# Altium PCB 霍尔小板拼版.PcbDoc (part 2 of 3)
Units mm, origin at the board's own origin, x right, y up, seen from the top; angles counter-clockwise.
Board outline 100.88 x 92.97 mm, 2 copper layers (Top Layer, Bottom Layer); 204 components, 39 nets, 616 pads, 200 vias.
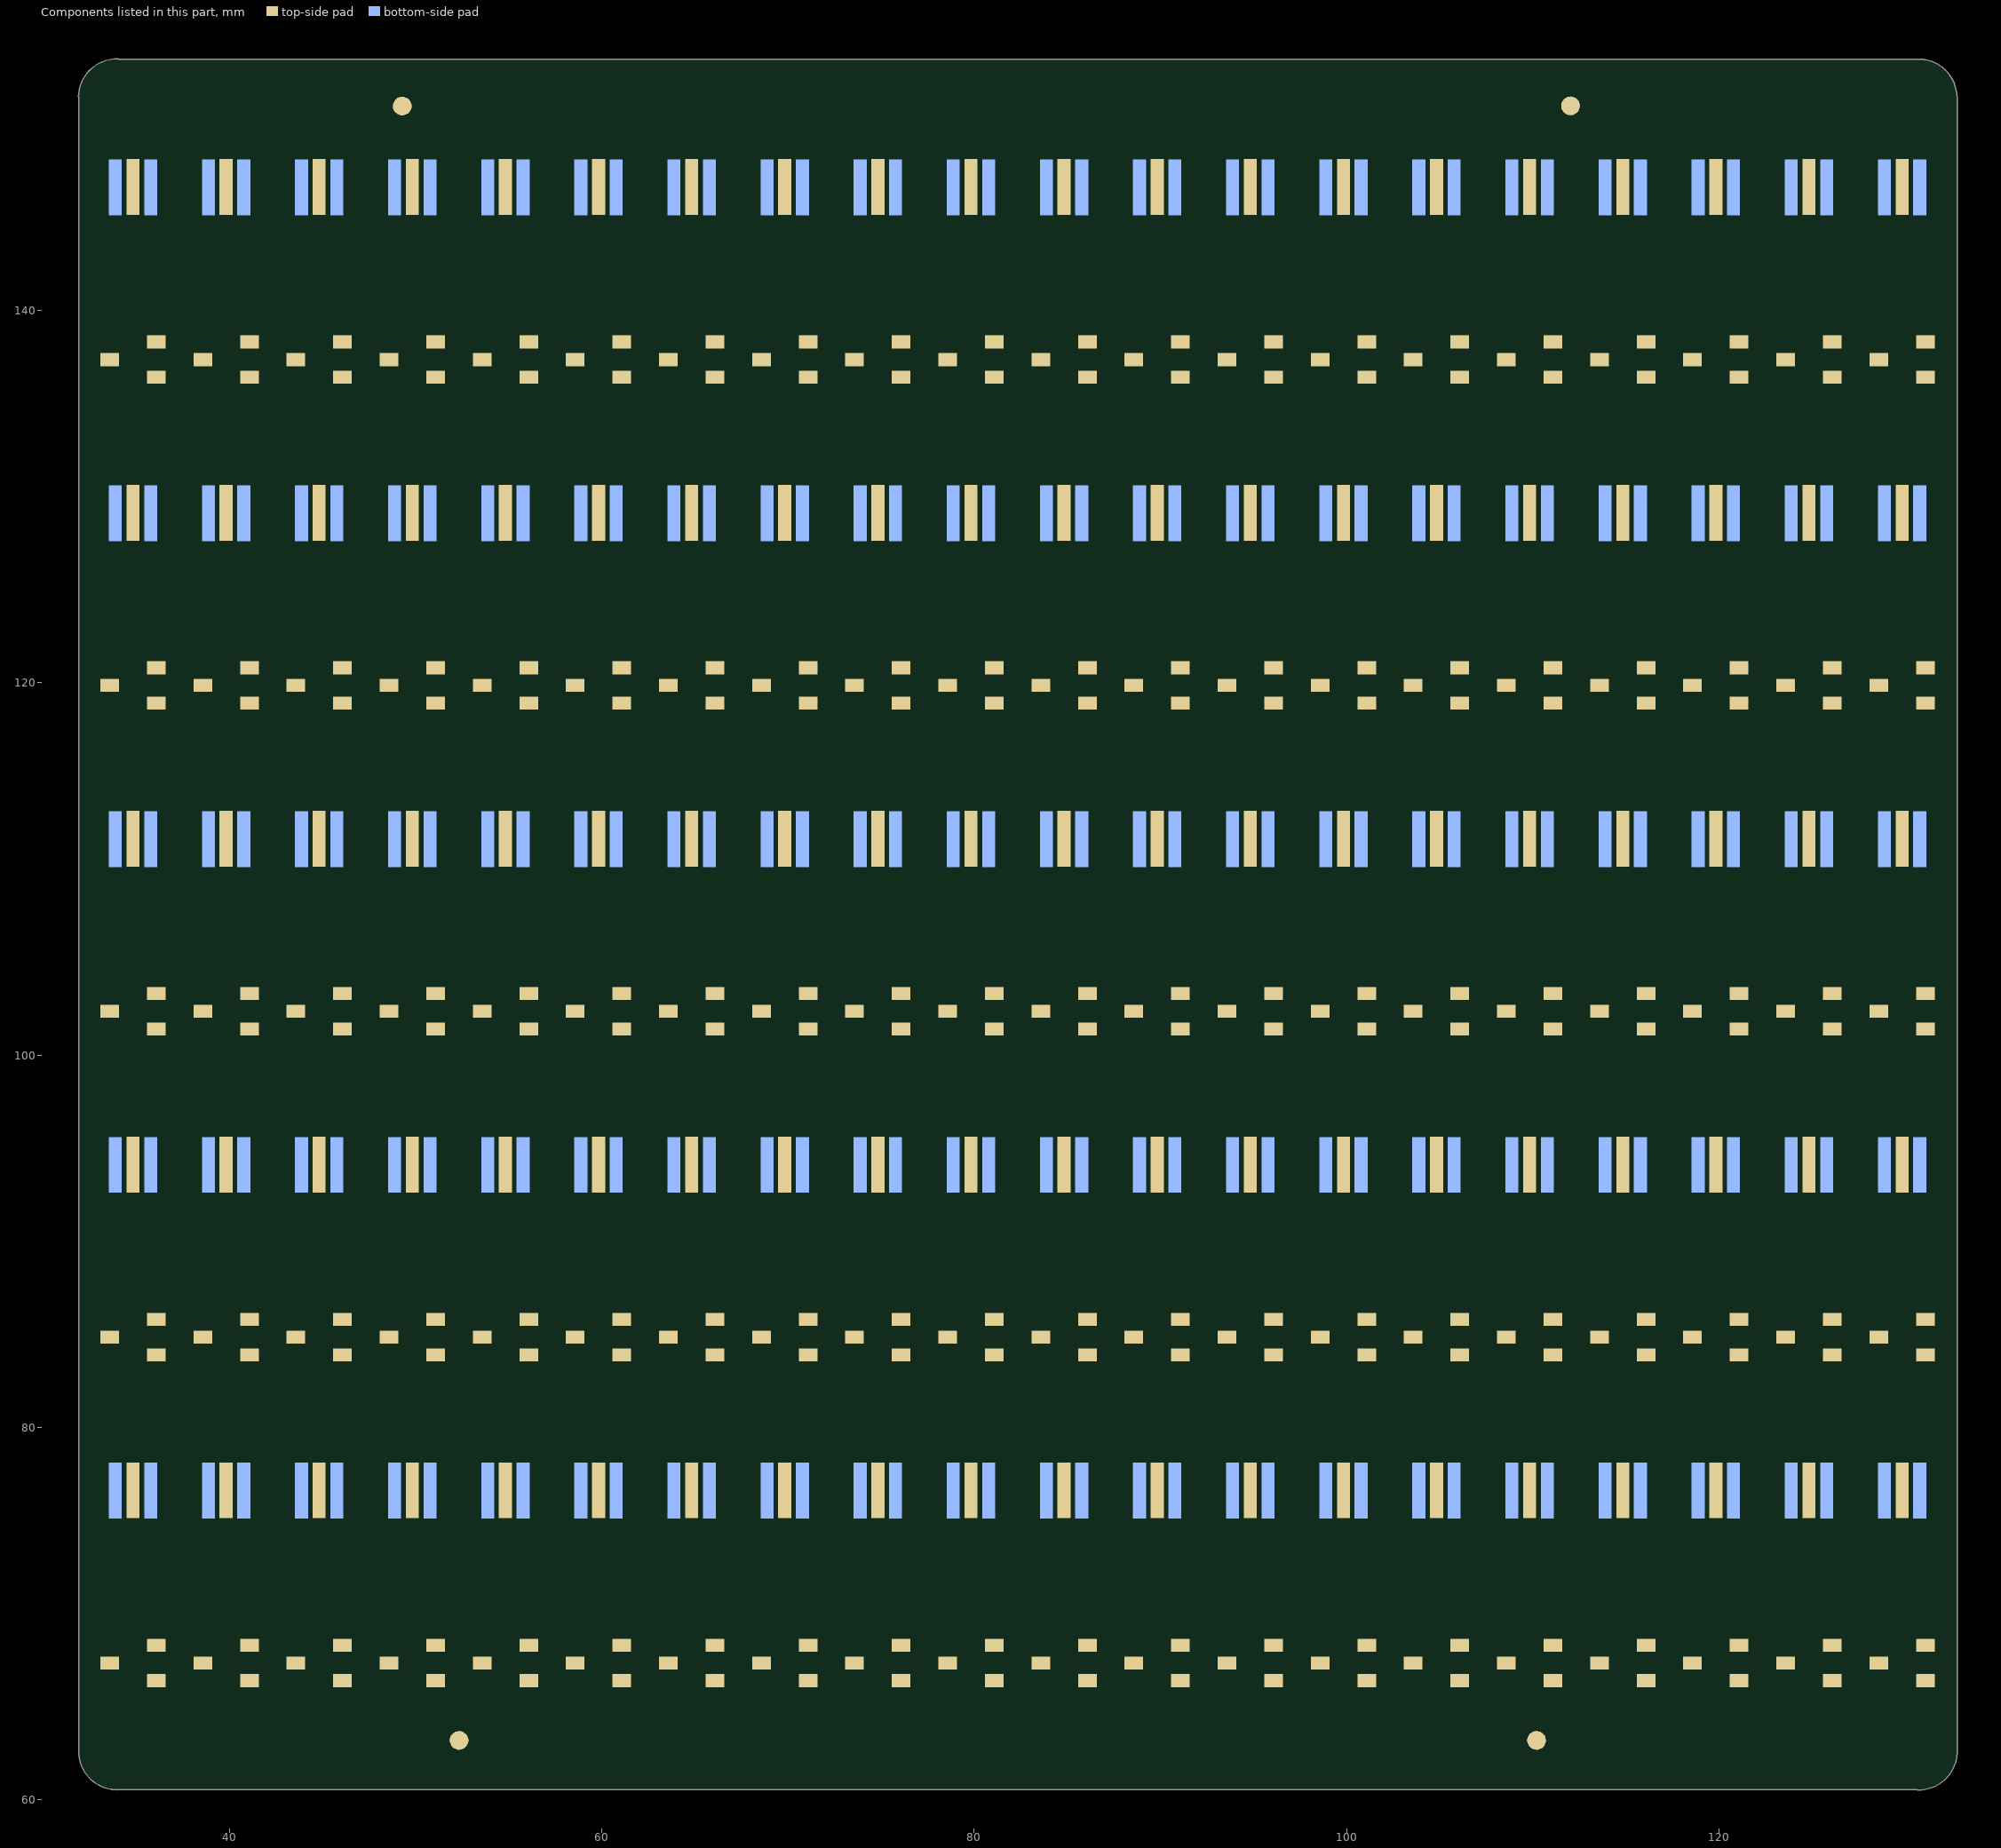
[diagram p2: the components of this part, seen from the top]

## Via types
v1: diameter 0.6, hole 0.4, Top Layer to Bottom Layer, tented both sides, 200 vias

## Nets (pads, with @x,y where several pads share a name; then routed paths per layer and width w, separated by ;. In a path a pad name is that pad's centre, name@x,y a point inside that pad or via, vN(x,y) a via of type N, cw(c..) or ccw(c..) an arc to the next point about the centre after c; other vN are vias at no path point) (continued)
copper on no net: | length 3050.2
  Top Layer w0.254: 33.576,67.351 33.81,67.585 33.81,73.04 34.826,74.056 34.826,76.622 ; 33.576,84.851 33.81,85.085 33.81,90.54 34.826,91.556 34.826,94.122 ; 33.576,102.351 33.81,102.585 33.81,108.04 34.826,109.056 34.826,111.622 ; 33.576,119.851 33.81,120.085 33.81,125.54 34.826,126.556 34.826,129.122 ; 33.576,137.351 33.81,137.585 33.81,143.04 34.826,144.056 34.826,146.622 ; v1(34.572,70.932) 34.547,70.907 34.547,67.93 36.076,66.401 ; v1(34.572,88.432) 34.547,88.407 34.547,85.43 36.076,83.901 ; v1(34.572,105.932) 34.547,105.907 34.547,102.93 36.076,101.401 ; v1(34.572,123.432) 34.547,123.407 34.547,120.43 36.076,118.901 ; v1(34.572,140.932) 34.547,140.907 34.547,137.93 36.076,136.401 ; v1(34.597,72.38) 36.076,70.901 36.076,68.301 ; v1(34.597,89.88) 36.076,88.401 36.076,85.801 ; v1(34.597,107.38) 36.076,105.901 36.076,103.301 ; v1(34.597,124.88) 36.076,123.401 36.076,120.801 ; v1(34.597,142.38) 36.076,140.901 36.076,138.301 ; 38.576,67.351 38.81,67.585 38.81,73.04 39.826,74.056 39.826,76.622 ; 38.576,84.851 38.81,85.085 38.81,90.54 39.826,91.556 39.826,94.122 ; 38.576,102.351 38.81,102.585 38.81,108.04 39.826,109.056 39.826,111.622 ; 38.576,119.851 38.81,120.085 38.81,125.54 39.826,126.556 39.826,129.122 ; 38.576,137.351 38.81,137.585 38.81,143.04 39.826,144.056 39.826,146.622 ; v1(39.572,70.932) 39.547,70.907 39.547,67.93 41.076,66.401 ; v1(39.572,88.432) 39.547,88.407 39.547,85.43 41.076,83.901 ; v1(39.572,105.932) 39.547,105.907 39.547,102.93 41.076,101.401 ; v1(39.572,123.432) 39.547,123.407 39.547,120.43 41.076,118.901 ; v1(39.572,140.932) 39.547,140.907 39.547,137.93 41.076,136.401 ; v1(39.597,72.38) 41.076,70.901 41.076,68.301 ; v1(39.597,89.88) 41.076,88.401 41.076,85.801 ; v1(39.597,107.38) 41.076,105.901 41.076,103.301 ; v1(39.597,124.88) 41.076,123.401 41.076,120.801 ; v1(39.597,142.38) 41.076,140.901 41.076,138.301 ; 43.576,67.351 43.81,67.585 43.81,73.04 44.826,74.056 44.826,76.622 ; 43.576,84.851 43.81,85.085 43.81,90.54 44.826,91.556 44.826,94.122 ; 43.576,102.351 43.81,102.585 43.81,108.04 44.826,109.056 44.826,111.622 ; 43.576,119.851 43.81,120.085 43.81,125.54 44.826,126.556 44.826,129.122 ; 43.576,137.351 43.81,137.585 43.81,143.04 44.826,144.056 44.826,146.622 ; v1(44.572,70.932) 44.547,70.907 44.547,67.93 46.076,66.401 ; v1(44.572,88.432) 44.547,88.407 44.547,85.43 46.076,83.901 ; v1(44.572,105.932) 44.547,105.907 44.547,102.93 46.076,101.401 ; v1(44.572,123.432) 44.547,123.407 44.547,120.43 46.076,118.901 ; v1(44.572,140.932) 44.547,140.907 44.547,137.93 46.076,136.401 ; v1(44.597,72.38) 46.076,70.901 46.076,68.301 ; v1(44.597,89.88) 46.076,88.401 46.076,85.801 ; v1(44.597,107.38) 46.076,105.901 46.076,103.301 ; v1(44.597,124.88) 46.076,123.401 46.076,120.801 ; v1(44.597,142.38) 46.076,140.901 46.076,138.301 ; 48.576,67.351 48.81,67.585 48.81,73.04 49.826,74.056 49.826,76.622 ; 48.576,84.851 48.81,85.085 48.81,90.54 49.826,91.556 49.826,94.122 ; 48.576,102.351 48.81,102.585 48.81,108.04 49.826,109.056 49.826,111.622 ; 48.576,119.851 48.81,120.085 48.81,125.54 49.826,126.556 49.826,129.122 ; 48.576,137.351 48.81,137.585 48.81,143.04 49.826,144.056 49.826,146.622 ; v1(49.572,70.932) 49.547,70.907 49.547,67.93 51.076,66.401 ; v1(49.572,88.432) 49.547,88.407 49.547,85.43 51.076,83.901 ; v1(49.572,105.932) 49.547,105.907 49.547,102.93 51.076,101.401 ; v1(49.572,123.432) 49.547,123.407 49.547,120.43 51.076,118.901 ; v1(49.572,140.932) 49.547,140.907 49.547,137.93 51.076,136.401 ; v1(49.597,72.38) 51.076,70.901 51.076,68.301 ; v1(49.597,89.88) 51.076,88.401 51.076,85.801 ; v1(49.597,107.38) 51.076,105.901 51.076,103.301 ; v1(49.597,124.88) 51.076,123.401 51.076,120.801 ; v1(49.597,142.38) 51.076,140.901 51.076,138.301 ; 53.576,67.351 53.81,67.585 53.81,73.04 54.826,74.056 54.826,76.622 ; 53.576,84.851 53.81,85.085 53.81,90.54 54.826,91.556 54.826,94.122 ; 53.576,102.351 53.81,102.585 53.81,108.04 54.826,109.056 54.826,111.622 ; 53.576,119.851 53.81,120.085 53.81,125.54 54.826,126.556 54.826,129.122 ; 53.576,137.351 53.81,137.585 53.81,143.04 54.826,144.056 54.826,146.622 ; v1(54.572,70.932) 54.547,70.907 54.547,67.93 56.076,66.401 ; v1(54.572,88.432) 54.547,88.407 54.547,85.43 56.076,83.901 ; v1(54.572,105.932) 54.547,105.907 54.547,102.93 56.076,101.401 ; v1(54.572,123.432) 54.547,123.407 54.547,120.43 56.076,118.901 ; v1(54.572,140.932) 54.547,140.907 54.547,137.93 56.076,136.401 ; v1(54.597,72.38) 56.076,70.901 56.076,68.301 ; v1(54.597,89.88) 56.076,88.401 56.076,85.801 ; v1(54.597,107.38) 56.076,105.901 56.076,103.301 ; v1(54.597,124.88) 56.076,123.401 56.076,120.801 ; v1(54.597,142.38) 56.076,140.901 56.076,138.301 ; 58.576,67.351 58.81,67.585 58.81,73.04 59.826,74.056 59.826,76.622 ; 58.576,84.851 58.81,85.085 58.81,90.54 59.826,91.556 59.826,94.122 ; 58.576,102.351 58.81,102.585 58.81,108.04 59.826,109.056 59.826,111.622 ; 58.576,119.851 58.81,120.085 58.81,125.54 59.826,126.556 59.826,129.122 ; 58.576,137.351 58.81,137.585 58.81,143.04 59.826,144.056 59.826,146.622 ; v1(59.572,70.932) 59.547,70.907 59.547,67.93 61.076,66.401 ; v1(59.572,88.432) 59.547,88.407 59.547,85.43 61.076,83.901 ; v1(59.572,105.932) 59.547,105.907 59.547,102.93 61.076,101.401 ; v1(59.572,123.432) 59.547,123.407 59.547,120.43 61.076,118.901 ; v1(59.572,140.932) 59.547,140.907 59.547,137.93 61.076,136.401 ; v1(59.597,72.38) 61.076,70.901 61.076,68.301 ; v1(59.597,89.88) 61.076,88.401 61.076,85.801 ; v1(59.597,107.38) 61.076,105.901 61.076,103.301 ; v1(59.597,124.88) 61.076,123.401 61.076,120.801 ; v1(59.597,142.38) 61.076,140.901 61.076,138.301 ; 63.576,67.351 63.81,67.585 63.81,73.04 64.826,74.056 64.826,76.622 ; 63.576,84.851 63.81,85.085 63.81,90.54 64.826,91.556 64.826,94.122 ; 63.576,102.351 63.81,102.585 63.81,108.04 64.826,109.056 64.826,111.622 ; 63.576,119.851 63.81,120.085 63.81,125.54 64.826,126.556 64.826,129.122 ; 63.576,137.351 63.81,137.585 63.81,143.04 64.826,144.056 64.826,146.622 ; v1(64.572,70.932) 64.547,70.907 64.547,67.93 66.076,66.401 ; v1(64.572,88.432) 64.547,88.407 64.547,85.43 66.076,83.901 ; v1(64.572,105.932) 64.547,105.907 64.547,102.93 66.076,101.401 ; v1(64.572,123.432) 64.547,123.407 64.547,120.43 66.076,118.901 ; v1(64.572,140.932) 64.547,140.907 64.547,137.93 66.076,136.401 ; v1(64.597,72.38) 66.076,70.901 66.076,68.301 ; v1(64.597,89.88) 66.076,88.401 66.076,85.801 ; v1(64.597,107.38) 66.076,105.901 66.076,103.301 ; v1(64.597,124.88) 66.076,123.401 66.076,120.801 ; v1(64.597,142.38) 66.076,140.901 66.076,138.301 ; 68.576,67.351 68.81,67.585 68.81,73.04 69.826,74.056 69.826,76.622 ; 68.576,84.851 68.81,85.085 68.81,90.54 69.826,91.556 69.826,94.122 ; 68.576,102.351 68.81,102.585 68.81,108.04 69.826,109.056 69.826,111.622 ; 68.576,119.851 68.81,120.085 68.81,125.54 69.826,126.556 69.826,129.122 ; 68.576,137.351 68.81,137.585 68.81,143.04 69.826,144.056 69.826,146.622 ; v1(69.572,70.932) 69.547,70.907 69.547,67.93 71.076,66.401 ; v1(69.572,88.432) 69.547,88.407 69.547,85.43 71.076,83.901 ; v1(69.572,105.932) 69.547,105.907 69.547,102.93 71.076,101.401 ; v1(69.572,123.432) 69.547,123.407 69.547,120.43 71.076,118.901 ; v1(69.572,140.932) 69.547,140.907 69.547,137.93 71.076,136.401 ; v1(69.597,72.38) 71.076,70.901 71.076,68.301 ; v1(69.597,89.88) 71.076,88.401 71.076,85.801 ; v1(69.597,107.38) 71.076,105.901 71.076,103.301 ; v1(69.597,124.88) 71.076,123.401 71.076,120.801 ; v1(69.597,142.38) 71.076,140.901 71.076,138.301 ; 73.576,67.351 73.81,67.585 73.81,73.04 74.826,74.056 74.826,76.622 ; 73.576,84.851 73.81,85.085 73.81,90.54 74.826,91.556 74.826,94.122 ; 73.576,102.351 73.81,102.585 73.81,108.04 74.826,109.056 74.826,111.622 ; 73.576,119.851 73.81,120.085 73.81,125.54 74.826,126.556 74.826,129.122 ; 73.576,137.351 73.81,137.585 73.81,143.04 74.826,144.056 74.826,146.622 ; v1(74.572,70.932) 74.547,70.907 74.547,67.93 76.076,66.401 ; v1(74.572,88.432) 74.547,88.407 74.547,85.43 76.076,83.901 ; v1(74.572,105.932) 74.547,105.907 74.547,102.93 76.076,101.401 ; v1(74.572,123.432) 74.547,123.407 74.547,120.43 76.076,118.901 ; v1(74.572,140.932) 74.547,140.907 74.547,137.93 76.076,136.401 ; v1(74.597,72.38) 76.076,70.901 76.076,68.301 ; v1(74.597,89.88) 76.076,88.401 76.076,85.801 ; v1(74.597,107.38) 76.076,105.901 76.076,103.301 ; v1(74.597,124.88) 76.076,123.401 76.076,120.801 ; v1(74.597,142.38) 76.076,140.901 76.076,138.301 ; 78.576,67.351 78.81,67.585 78.81,73.04 79.826,74.056 79.826,76.622 ; 78.576,84.851 78.81,85.085 78.81,90.54 79.826,91.556 79.826,94.122 ; 78.576,102.351 78.81,102.585 78.81,108.04 79.826,109.056 79.826,111.622 ; 78.576,119.851 78.81,120.085 78.81,125.54 79.826,126.556 79.826,129.122 ; 78.576,137.351 78.81,137.585 78.81,143.04 79.826,144.056 79.826,146.622 ; v1(79.572,70.932) 79.547,70.907 79.547,67.93 81.076,66.401 ; v1(79.572,88.432) 79.547,88.407 79.547,85.43 81.076,83.901 ; v1(79.572,105.932) 79.547,105.907 79.547,102.93 81.076,101.401 ; v1(79.572,123.432) 79.547,123.407 79.547,120.43 81.076,118.901 ; v1(79.572,140.932) 79.547,140.907 79.547,137.93 81.076,136.401 ; v1(79.597,72.38) 81.076,70.901 81.076,68.301 ; v1(79.597,89.88) 81.076,88.401 81.076,85.801 ; v1(79.597,107.38) 81.076,105.901 81.076,103.301 ; v1(79.597,124.88) 81.076,123.401 81.076,120.801 ; v1(79.597,142.38) 81.076,140.901 81.076,138.301 ; 83.576,67.351 83.81,67.585 83.81,73.04 84.826,74.056 84.826,76.622 ; 83.576,84.851 83.81,85.085 83.81,90.54 84.826,91.556 84.826,94.122 ; 83.576,102.351 83.81,102.585 83.81,108.04 84.826,109.056 84.826,111.622 ; 83.576,119.851 83.81,120.085 83.81,125.54 84.826,126.556 84.826,129.122 ; 83.576,137.351 83.81,137.585 83.81,143.04 84.826,144.056 84.826,146.622 ; v1(84.572,70.932) 84.547,70.907 84.547,67.93 86.076,66.401 ; v1(84.572,88.432) 84.547,88.407 84.547,85.43 86.076,83.901 ; v1(84.572,105.932) 84.547,105.907 84.547,102.93 86.076,101.401 ; v1(84.572,123.432) 84.547,123.407 84.547,120.43 86.076,118.901 ; v1(84.572,140.932) 84.547,140.907 84.547,137.93 86.076,136.401 ; v1(84.597,72.38) 86.076,70.901 86.076,68.301 ; v1(84.597,89.88) 86.076,88.401 86.076,85.801 ; v1(84.597,107.38) 86.076,105.901 86.076,103.301 ; v1(84.597,124.88) 86.076,123.401 86.076,120.801 ; v1(84.597,142.38) 86.076,140.901 86.076,138.301 ; 88.576,67.351 88.81,67.585 88.81,73.04 89.826,74.056 89.826,76.622 ; 88.576,84.851 88.81,85.085 88.81,90.54 89.826,91.556 89.826,94.122 ; 88.576,102.351 88.81,102.585 88.81,108.04 89.826,109.056 89.826,111.622 ; 88.576,119.851 88.81,120.085 88.81,125.54 89.826,126.556 89.826,129.122 ; 88.576,137.351 88.81,137.585 88.81,143.04 89.826,144.056 89.826,146.622 ; v1(89.572,70.932) 89.547,70.907 89.547,67.93 91.076,66.401 ; v1(89.572,88.432) 89.547,88.407 89.547,85.43 91.076,83.901 ; v1(89.572,105.932) 89.547,105.907 89.547,102.93 91.076,101.401 ; v1(89.572,123.432) 89.547,123.407 89.547,120.43 91.076,118.901 ; v1(89.572,140.932) 89.547,140.907 89.547,137.93 91.076,136.401 ; v1(89.597,72.38) 91.076,70.901 91.076,68.301 ; v1(89.597,89.88) 91.076,88.401 91.076,85.801 ; v1(89.597,107.38) 91.076,105.901 91.076,103.301 ; v1(89.597,124.88) 91.076,123.401 91.076,120.801 ; v1(89.597,142.38) 91.076,140.901 91.076,138.301 ; 93.576,67.351 93.81,67.585 93.81,73.04 94.826,74.056 94.826,76.622 ; 93.576,84.851 93.81,85.085 93.81,90.54 94.826,91.556 94.826,94.122 ; 93.576,102.351 93.81,102.585 93.81,108.04 94.826,109.056 94.826,111.622 ; 93.576,119.851 93.81,120.085 93.81,125.54 94.826,126.556 94.826,129.122 ; 93.576,137.351 93.81,137.585 93.81,143.04 94.826,144.056 94.826,146.622 ; v1(94.572,70.932) 94.547,70.907 94.547,67.93 96.076,66.401 ; v1(94.572,88.432) 94.547,88.407 94.547,85.43 96.076,83.901 ; v1(94.572,105.932) 94.547,105.907 94.547,102.93 96.076,101.401 ; v1(94.572,123.432) 94.547,123.407 94.547,120.43 96.076,118.901 ; v1(94.572,140.932) 94.547,140.907 94.547,137.93 96.076,136.401 ; v1(94.597,72.38) 96.076,70.901 96.076,68.301 ; v1(94.597,89.88) 96.076,88.401 96.076,85.801 ; v1(94.597,107.38) 96.076,105.901 96.076,103.301 ; v1(94.597,124.88) 96.076,123.401 96.076,120.801 ; v1(94.597,142.38) 96.076,140.901 96.076,138.301 ; 98.576,67.351 98.81,67.585 98.81,73.04 99.826,74.056 99.826,76.622 ; 98.576,84.851 98.81,85.085 98.81,90.54 99.826,91.556 99.826,94.122 ; 98.576,102.351 98.81,102.585 98.81,108.04 99.826,109.056 99.826,111.622 ; 98.576,119.851 98.81,120.085 98.81,125.54 99.826,126.556 99.826,129.122 ; 98.576,137.351 98.81,137.585 98.81,143.04 99.826,144.056 99.826,146.622 ; v1(99.572,70.932) 99.547,70.907 99.547,67.93 101.076,66.401 ; v1(99.572,88.432) 99.547,88.407 99.547,85.43 101.076,83.901 ; v1(99.572,105.932) 99.547,105.907 99.547,102.93 101.076,101.401 ; v1(99.572,123.432) 99.547,123.407 99.547,120.43 101.076,118.901 ; v1(99.572,140.932) 99.547,140.907 99.547,137.93 101.076,136.401 ; v1(99.597,72.38) 101.076,70.901 101.076,68.301 ; v1(99.597,89.88) 101.076,88.401 101.076,85.801 ; v1(99.597,107.38) 101.076,105.901 101.076,103.301 ; v1(99.597,124.88) 101.076,123.401 101.076,120.801 ; v1(99.597,142.38) 101.076,140.901 101.076,138.301 ; 103.576,67.351 103.81,67.585 103.81,73.04 104.826,74.056 104.826,76.622 ; 103.576,84.851 103.81,85.085 103.81,90.54 104.826,91.556 104.826,94.122 ; 103.576,102.351 103.81,102.585 103.81,108.04 104.826,109.056 104.826,111.622 ; 103.576,119.851 103.81,120.085 103.81,125.54 104.826,126.556 104.826,129.122 ; 103.576,137.351 103.81,137.585 103.81,143.04 104.826,144.056 104.826,146.622 ; v1(104.572,70.932) 104.547,70.907 104.547,67.93 106.076,66.401 ; v1(104.572,88.432) 104.547,88.407 104.547,85.43 106.076,83.901 ; v1(104.572,105.932) 104.547,105.907 104.547,102.93 106.076,101.401 ; v1(104.572,123.432) 104.547,123.407 104.547,120.43 106.076,118.901 ; v1(104.572,140.932) 104.547,140.907 104.547,137.93 106.076,136.401 ; v1(104.597,72.38) 106.076,70.901 106.076,68.301 ; v1(104.597,89.88) 106.076,88.401 106.076,85.801 ; v1(104.597,107.38) 106.076,105.901 106.076,103.301 ; v1(104.597,124.88) 106.076,123.401 106.076,120.801 ; v1(104.597,142.38) 106.076,140.901 106.076,138.301 ; 108.576,67.351 108.81,67.585 108.81,73.04 109.826,74.056 109.826,76.622 ; 108.576,84.851 108.81,85.085 108.81,90.54 109.826,91.556 109.826,94.122 ; 108.576,102.351 108.81,102.585 108.81,108.04 109.826,109.056 109.826,111.622 ; 108.576,119.851 108.81,120.085 108.81,125.54 109.826,126.556 109.826,129.122 ; 108.576,137.351 108.81,137.585 108.81,143.04 109.826,144.056 109.826,146.622 ; v1(109.572,70.932) 109.547,70.907 109.547,67.93 111.076,66.401 ; v1(109.572,88.432) 109.547,88.407 109.547,85.43 111.076,83.901 ; v1(109.572,105.932) 109.547,105.907 109.547,102.93 111.076,101.401 ; v1(109.572,123.432) 109.547,123.407 109.547,120.43 111.076,118.901 ; v1(109.572,140.932) 109.547,140.907 109.547,137.93 111.076,136.401 ; v1(109.597,72.38) 111.076,70.901 111.076,68.301 ; v1(109.597,89.88) 111.076,88.401 111.076,85.801 ; v1(109.597,107.38) 111.076,105.901 111.076,103.301 ; v1(109.597,124.88) 111.076,123.401 111.076,120.801 ; v1(109.597,142.38) 111.076,140.901 111.076,138.301 ; 113.576,67.351 113.81,67.585 113.81,73.04 114.826,74.056 114.826,76.622 ; 113.576,84.851 113.81,85.085 113.81,90.54 114.826,91.556 114.826,94.122 ; 113.576,102.351 113.81,102.585 113.81,108.04 114.826,109.056 114.826,111.622 ; 113.576,119.851 113.81,120.085 113.81,125.54 114.826,126.556 114.826,129.122 ; 113.576,137.351 113.81,137.585 113.81,143.04 114.826,144.056 114.826,146.622 ; v1(114.572,70.932) 114.547,70.907 114.547,67.93 116.076,66.401 ; v1(114.572,88.432) 114.547,88.407 114.547,85.43 116.076,83.901 ; v1(114.572,105.932) 114.547,105.907 114.547,102.93 116.076,101.401 ; v1(114.572,123.432) 114.547,123.407 114.547,120.43 116.076,118.901 ; v1(114.572,140.932) 114.547,140.907 114.547,137.93 116.076,136.401 ; v1(114.597,72.38) 116.076,70.901 116.076,68.301 ; v1(114.597,89.88) 116.076,88.401 116.076,85.801 ; v1(114.597,107.38) 116.076,105.901 116.076,103.301 ; v1(114.597,124.88) 116.076,123.401 116.076,120.801 ; v1(114.597,142.38) 116.076,140.901 116.076,138.301 ; 118.576,67.351 118.81,67.585 118.81,73.04 119.826,74.056 119.826,76.622 ; 118.576,84.851 118.81,85.085 118.81,90.54 119.826,91.556 119.826,94.122 ; 118.576,102.351 118.81,102.585 118.81,108.04 119.826,109.056 119.826,111.622 ; 118.576,119.851 118.81,120.085 118.81,125.54 119.826,126.556 119.826,129.122 ; 118.576,137.351 118.81,137.585 118.81,143.04 119.826,144.056 119.826,146.622 ; v1(119.572,70.932) 119.547,70.907 119.547,67.93 121.076,66.401 ; v1(119.572,88.432) 119.547,88.407 119.547,85.43 121.076,83.901 ; v1(119.572,105.932) 119.547,105.907 119.547,102.93 121.076,101.401 ; v1(119.572,123.432) 119.547,123.407 119.547,120.43 121.076,118.901 ; v1(119.572,140.932) 119.547,140.907 119.547,137.93 121.076,136.401 ; v1(119.597,72.38) 121.076,70.901 121.076,68.301 ; v1(119.597,89.88) 121.076,88.401 121.076,85.801 ; v1(119.597,107.38) 121.076,105.901 121.076,103.301 ; v1(119.597,124.88) 121.076,123.401 121.076,120.801 ; v1(119.597,142.38) 121.076,140.901 121.076,138.301 ; 123.576,67.351 123.81,67.585 123.81,73.04 124.826,74.056 124.826,76.622 ; 123.576,84.851 123.81,85.085 123.81,90.54 124.826,91.556 124.826,94.122 ; 123.576,102.351 123.81,102.585 123.81,108.04 124.826,109.056 124.826,111.622 ; 123.576,119.851 123.81,120.085 123.81,125.54 124.826,126.556 124.826,129.122 ; 123.576,137.351 123.81,137.585 123.81,143.04 124.826,144.056 124.826,146.622 ; v1(124.572,70.932) 124.547,70.907 124.547,67.93 126.076,66.401 ; v1(124.572,88.432) 124.547,88.407 124.547,85.43 126.076,83.901 ; v1(124.572,105.932) 124.547,105.907 124.547,102.93 126.076,101.401 ; v1(124.572,123.432) 124.547,123.407 124.547,120.43 126.076,118.901 ; v1(124.572,140.932) 124.547,140.907 124.547,137.93 126.076,136.401 ; v1(124.597,72.38) 126.076,70.901 126.076,68.301 ; v1(124.597,89.88) 126.076,88.401 126.076,85.801 ; v1(124.597,107.38) 126.076,105.901 126.076,103.301 ; v1(124.597,124.88) 126.076,123.401 126.076,120.801 ; v1(124.597,142.38) 126.076,140.901 126.076,138.301 ; 128.576,67.351 128.81,67.585 128.81,73.04 129.826,74.056 129.826,76.622 ; 128.576,84.851 128.81,85.085 128.81,90.54 129.826,91.556 129.826,94.122 ; 128.576,102.351 128.81,102.585 128.81,108.04 129.826,109.056 129.826,111.622 ; 128.576,119.851 128.81,120.085 128.81,125.54 129.826,126.556 129.826,129.122 ; 128.576,137.351 128.81,137.585 128.81,143.04 129.826,144.056 129.826,146.622 ; v1(129.572,70.932) 129.547,70.907 129.547,67.93 131.076,66.401 ; v1(129.572,88.432) 129.547,88.407 129.547,85.43 131.076,83.901 ; v1(129.572,105.932) 129.547,105.907 129.547,102.93 131.076,101.401 ; v1(129.572,123.432) 129.547,123.407 129.547,120.43 131.076,118.901 ; v1(129.572,140.932) 129.547,140.907 129.547,137.93 131.076,136.401 ; v1(129.597,72.38) 131.076,70.901 131.076,68.301 ; v1(129.597,89.88) 131.076,88.401 131.076,85.801 ; v1(129.597,107.38) 131.076,105.901 131.076,103.301 ; v1(129.597,124.88) 131.076,123.401 131.076,120.801 ; v1(129.597,142.38) 131.076,140.901 131.076,138.301
  Bottom Layer w0.254: 33.876,73.635 33.876,73.777 ; 33.876,76.602 33.876,73.777 ; 33.876,91.135 33.876,91.277 ; 33.876,94.102 33.876,91.277 ; 33.876,108.635 33.876,108.777 ; 33.876,111.602 33.876,108.777 ; 33.876,126.135 33.876,126.277 ; 33.876,129.102 33.876,126.277 ; 33.876,143.635 33.876,143.777 ; 33.876,146.602 33.876,143.777 ; v1@34.597,70.907 34.597,70.932 35.776,72.111 35.776,76.602 ; v1(34.597,72.38) 33.876,73.101 33.876,73.777 ; v1@34.597,88.407 34.597,88.432 35.776,89.611 35.776,94.102 ; v1(34.597,89.88) 33.876,90.601 33.876,91.277 ; v1@34.597,105.907 34.597,105.932 35.776,107.111 35.776,111.602 ; v1(34.597,107.38) 33.876,108.101 33.876,108.777 ; v1@34.597,123.407 34.597,123.432 35.776,124.611 35.776,129.102 ; v1(34.597,124.88) 33.876,125.601 33.876,126.277 ; v1@34.597,140.907 34.597,140.932 35.776,142.111 35.776,146.602 ; v1(34.597,142.38) 33.876,143.101 33.876,143.777 ; 38.876,73.635 38.876,73.777 ; 38.876,76.602 38.876,73.777 ; 38.876,91.135 38.876,91.277 ; 38.876,94.102 38.876,91.277 ; 38.876,108.635 38.876,108.777 ; 38.876,111.602 38.876,108.777 ; 38.876,126.135 38.876,126.277 ; 38.876,129.102 38.876,126.277 ; 38.876,143.635 38.876,143.777 ; 38.876,146.602 38.876,143.777 ; v1@39.597,70.907 39.597,70.932 40.776,72.111 40.776,76.602 ; v1(39.597,72.38) 38.876,73.101 38.876,73.777 ; v1@39.597,88.407 39.597,88.432 40.776,89.611 40.776,94.102 ; v1(39.597,89.88) 38.876,90.601 38.876,91.277 ; v1@39.597,105.907 39.597,105.932 40.776,107.111 40.776,111.602 ; v1(39.597,107.38) 38.876,108.101 38.876,108.777 ; v1@39.597,123.407 39.597,123.432 40.776,124.611 40.776,129.102 ; v1(39.597,124.88) 38.876,125.601 38.876,126.277 ; v1@39.597,140.907 39.597,140.932 40.776,142.111 40.776,146.602 ; v1(39.597,142.38) 38.876,143.101 38.876,143.777 ; 43.876,73.635 43.876,73.777 ; 43.876,76.602 43.876,73.777 ; 43.876,91.135 43.876,91.277 ; 43.876,94.102 43.876,91.277 ; 43.876,108.635 43.876,108.777 ; 43.876,111.602 43.876,108.777 ; 43.876,126.135 43.876,126.277 ; 43.876,129.102 43.876,126.277 ; 43.876,143.635 43.876,143.777 ; 43.876,146.602 43.876,143.777 ; v1@44.597,70.907 44.597,70.932 45.776,72.111 45.776,76.602 ; v1(44.597,72.38) 43.876,73.101 43.876,73.777 ; v1@44.597,88.407 44.597,88.432 45.776,89.611 45.776,94.102 ; v1(44.597,89.88) 43.876,90.601 43.876,91.277 ; v1@44.597,105.907 44.597,105.932 45.776,107.111 45.776,111.602 ; v1(44.597,107.38) 43.876,108.101 43.876,108.777 ; v1@44.597,123.407 44.597,123.432 45.776,124.611 45.776,129.102 ; v1(44.597,124.88) 43.876,125.601 43.876,126.277 ; v1@44.597,140.907 44.597,140.932 45.776,142.111 45.776,146.602 ; v1(44.597,142.38) 43.876,143.101 43.876,143.777 ; 48.876,73.635 48.876,73.777 ; 48.876,76.602 48.876,73.777 ; 48.876,91.135 48.876,91.277 ; 48.876,94.102 48.876,91.277 ; 48.876,108.635 48.876,108.777 ; 48.876,111.602 48.876,108.777 ; 48.876,126.135 48.876,126.277 ; 48.876,129.102 48.876,126.277 ; 48.876,143.635 48.876,143.777 ; 48.876,146.602 48.876,143.777 ; v1@49.597,70.907 49.597,70.932 50.776,72.111 50.776,76.602 ; v1(49.597,72.38) 48.876,73.101 48.876,73.777 ; v1@49.597,88.407 49.597,88.432 50.776,89.611 50.776,94.102 ; v1(49.597,89.88) 48.876,90.601 48.876,91.277 ; v1@49.597,105.907 49.597,105.932 50.776,107.111 50.776,111.602 ; v1(49.597,107.38) 48.876,108.101 48.876,108.777 ; v1@49.597,123.407 49.597,123.432 50.776,124.611 50.776,129.102 ; v1(49.597,124.88) 48.876,125.601 48.876,126.277 ; v1@49.597,140.907 49.597,140.932 50.776,142.111 50.776,146.602 ; v1(49.597,142.38) 48.876,143.101 48.876,143.777 ; 53.876,73.635 53.876,73.777 ; 53.876,76.602 53.876,73.777 ; 53.876,91.135 53.876,91.277 ; 53.876,94.102 53.876,91.277 ; 53.876,108.635 53.876,108.777 ; 53.876,111.602 53.876,108.777 ; 53.876,126.135 53.876,126.277 ; 53.876,129.102 53.876,126.277 ; 53.876,143.635 53.876,143.777 ; 53.876,146.602 53.876,143.777 ; v1@54.597,70.907 54.597,70.932 55.776,72.111 55.776,76.602 ; v1(54.597,72.38) 53.876,73.101 53.876,73.777 ; v1@54.597,88.407 54.597,88.432 55.776,89.611 55.776,94.102 ; v1(54.597,89.88) 53.876,90.601 53.876,91.277 ; v1@54.597,105.907 54.597,105.932 55.776,107.111 55.776,111.602 ; v1(54.597,107.38) 53.876,108.101 53.876,108.777 ; v1@54.597,123.407 54.597,123.432 55.776,124.611 55.776,129.102 ; v1(54.597,124.88) 53.876,125.601 53.876,126.277 ; v1@54.597,140.907 54.597,140.932 55.776,142.111 55.776,146.602 ; v1(54.597,142.38) 53.876,143.101 53.876,143.777 ; 58.876,73.635 58.876,73.777 ; 58.876,76.602 58.876,73.777 ; 58.876,91.135 58.876,91.277 ; 58.876,94.102 58.876,91.277 ; 58.876,108.635 58.876,108.777 ; 58.876,111.602 58.876,108.777 ; 58.876,126.135 58.876,126.277 ; 58.876,129.102 58.876,126.277 ; 58.876,143.635 58.876,143.777 ; 58.876,146.602 58.876,143.777 ; v1@59.597,70.907 59.597,70.932 60.776,72.111 60.776,76.602 ; v1(59.597,72.38) 58.876,73.101 58.876,73.777 ; v1@59.597,88.407 59.597,88.432 60.776,89.611 60.776,94.102 ; v1(59.597,89.88) 58.876,90.601 58.876,91.277 ; v1@59.597,105.907 59.597,105.932 60.776,107.111 60.776,111.602 ; v1(59.597,107.38) 58.876,108.101 58.876,108.777 ; v1@59.597,123.407 59.597,123.432 60.776,124.611 60.776,129.102 ; v1(59.597,124.88) 58.876,125.601 58.876,126.277 ; v1@59.597,140.907 59.597,140.932 60.776,142.111 60.776,146.602 ; v1(59.597,142.38) 58.876,143.101 58.876,143.777 ; 63.876,73.635 63.876,73.777 ; 63.876,76.602 63.876,73.777 ; 63.876,91.135 63.876,91.277 ; 63.876,94.102 63.876,91.277 ; 63.876,108.635 63.876,108.777 ; 63.876,111.602 63.876,108.777 ; 63.876,126.135 63.876,126.277 ; 63.876,129.102 63.876,126.277 ; 63.876,143.635 63.876,143.777 ; 63.876,146.602 63.876,143.777 ; v1@64.597,70.907 64.597,70.932 65.776,72.111 65.776,76.602 ; v1(64.597,72.38) 63.876,73.101 63.876,73.777 ; v1@64.597,88.407 64.597,88.432 65.776,89.611 65.776,94.102 ; v1(64.597,89.88) 63.876,90.601 63.876,91.277 ; v1@64.597,105.907 64.597,105.932 65.776,107.111 65.776,111.602 ; v1(64.597,107.38) 63.876,108.101 63.876,108.777 ; v1@64.597,123.407 64.597,123.432 65.776,124.611 65.776,129.102 ; v1(64.597,124.88) 63.876,125.601 63.876,126.277 ; v1@64.597,140.907 64.597,140.932 65.776,142.111 65.776,146.602 ; v1(64.597,142.38) 63.876,143.101 63.876,143.777 ; 68.876,73.635 68.876,73.777 ; 68.876,76.602 68.876,73.777 ; 68.876,91.135 68.876,91.277 ; 68.876,94.102 68.876,91.277 ; 68.876,108.635 68.876,108.777 ; 68.876,111.602 68.876,108.777 ; 68.876,126.135 68.876,126.277 ; 68.876,129.102 68.876,126.277 ; 68.876,143.635 68.876,143.777 ; 68.876,146.602 68.876,143.777 ; v1@69.597,70.907 69.597,70.932 70.776,72.111 70.776,76.602 ; v1(69.597,72.38) 68.876,73.101 68.876,73.777 ; v1@69.597,88.407 69.597,88.432 70.776,89.611 70.776,94.102 ; v1(69.597,89.88) 68.876,90.601 68.876,91.277 ; v1@69.597,105.907 69.597,105.932 70.776,107.111 70.776,111.602 ; v1(69.597,107.38) 68.876,108.101 68.876,108.777 ; v1@69.597,123.407 69.597,123.432 70.776,124.611 70.776,129.102 ; v1(69.597,124.88) 68.876,125.601 68.876,126.277 ; v1@69.597,140.907 69.597,140.932 70.776,142.111 70.776,146.602 ; v1(69.597,142.38) 68.876,143.101 68.876,143.777 ; 73.876,73.635 73.876,73.777 ; 73.876,76.602 73.876,73.777 ; 73.876,91.135 73.876,91.277 ; 73.876,94.102 73.876,91.277 ; 73.876,108.635 73.876,108.777 ; 73.876,111.602 73.876,108.777 ; 73.876,126.135 73.876,126.277 ; 73.876,129.102 73.876,126.277 ; 73.876,143.635 73.876,143.777 ; 73.876,146.602 73.876,143.777 ; v1@74.597,70.907 74.597,70.932 75.776,72.111 75.776,76.602 ; v1(74.597,72.38) 73.876,73.101 73.876,73.777 ; v1@74.597,88.407 74.597,88.432 75.776,89.611 75.776,94.102 ; v1(74.597,89.88) 73.876,90.601 73.876,91.277 ; v1@74.597,105.907 74.597,105.932 75.776,107.111 75.776,111.602 ; v1(74.597,107.38) 73.876,108.101 73.876,108.777 ; v1@74.597,123.407 74.597,123.432 75.776,124.611 75.776,129.102 ; v1(74.597,124.88) 73.876,125.601 73.876,126.277 ; v1@74.597,140.907 74.597,140.932 75.776,142.111 75.776,146.602 ; v1(74.597,142.38) 73.876,143.101 73.876,143.777 ; 78.876,73.635 78.876,73.777 ; 78.876,76.602 78.876,73.777 ; 78.876,91.135 78.876,91.277 ; 78.876,94.102 78.876,91.277 ; 78.876,108.635 78.876,108.777 ; 78.876,111.602 78.876,108.777 ; 78.876,126.135 78.876,126.277 ; 78.876,129.102 78.876,126.277 ; 78.876,143.635 78.876,143.777 ; 78.876,146.602 78.876,143.777 ; v1@79.597,70.907 79.597,70.932 80.776,72.111 80.776,76.602 ; v1(79.597,72.38) 78.876,73.101 78.876,73.777 ; v1@79.597,88.407 79.597,88.432 80.776,89.611 80.776,94.102 ; v1(79.597,89.88) 78.876,90.601 78.876,91.277 ; v1@79.597,105.907 79.597,105.932 80.776,107.111 80.776,111.602 ; v1(79.597,107.38) 78.876,108.101 78.876,108.777 ; v1@79.597,123.407 79.597,123.432 80.776,124.611 80.776,129.102 ; v1(79.597,124.88) 78.876,125.601 78.876,126.277 ; v1@79.597,140.907 79.597,140.932 80.776,142.111 80.776,146.602 ; v1(79.597,142.38) 78.876,143.101 78.876,143.777 ; 83.876,73.635 83.876,73.777 ; 83.876,76.602 83.876,73.777 ; 83.876,91.135 83.876,91.277 ; 83.876,94.102 83.876,91.277 ; 83.876,108.635 83.876,108.777 ; 83.876,111.602 83.876,108.777 ; 83.876,126.135 83.876,126.277 ; 83.876,129.102 83.876,126.277 ; 83.876,143.635 83.876,143.777 ; 83.876,146.602 83.876,143.777 ; v1@84.597,70.907 84.597,70.932 85.776,72.111 85.776,76.602 ; v1(84.597,72.38) 83.876,73.101 83.876,73.777 ; v1@84.597,88.407 84.597,88.432 85.776,89.611 85.776,94.102 ; v1(84.597,89.88) 83.876,90.601 83.876,91.277 ; v1@84.597,105.907 84.597,105.932 85.776,107.111 85.776,111.602 ; v1(84.597,107.38) 83.876,108.101 83.876,108.777 ; v1@84.597,123.407 84.597,123.432 85.776,124.611 85.776,129.102 ; v1(84.597,124.88) 83.876,125.601 83.876,126.277 ; v1@84.597,140.907 84.597,140.932 85.776,142.111 85.776,146.602 ; v1(84.597,142.38) 83.876,143.101 83.876,143.777 ; 88.876,73.635 88.876,73.777 ; 88.876,76.602 88.876,73.777 ; 88.876,91.135 88.876,91.277 ; 88.876,94.102 88.876,91.277 ; 88.876,108.635 88.876,108.777 ; 88.876,111.602 88.876,108.777 ; 88.876,126.135 88.876,126.277 ; 88.876,129.102 88.876,126.277 ; 88.876,143.635 88.876,143.777 ; 88.876,146.602 88.876,143.777 ; v1@89.597,70.907 89.597,70.932 90.776,72.111 90.776,76.602 ; v1(89.597,72.38) 88.876,73.101 88.876,73.777 ; v1@89.597,88.407 89.597,88.432 90.776,89.611 90.776,94.102 ; v1(89.597,89.88) 88.876,90.601 88.876,91.277 ; v1@89.597,105.907 89.597,105.932 90.776,107.111 90.776,111.602 ; v1(89.597,107.38) 88.876,108.101 88.876,108.777 ; v1@89.597,123.407 89.597,123.432 90.776,124.611 90.776,129.102 ; v1(89.597,124.88) 88.876,125.601 88.876,126.277 ; v1@89.597,140.907 89.597,140.932 90.776,142.111 90.776,146.602 ; v1(89.597,142.38) 88.876,143.101 88.876,143.777 ; 93.876,73.635 93.876,73.777 ; 93.876,76.602 93.876,73.777 ; 93.876,91.135 93.876,91.277 ; 93.876,94.102 93.876,91.277 ; 93.876,108.635 93.876,108.777 ; 93.876,111.602 93.876,108.777 ; 93.876,126.135 93.876,126.277 ; 93.876,129.102 93.876,126.277 ; 93.876,143.635 93.876,143.777 ; 93.876,146.602 93.876,143.777 ; v1@94.597,70.907 94.597,70.932 95.776,72.111 95.776,76.602 ; v1(94.597,72.38) 93.876,73.101 93.876,73.777 ; v1@94.597,88.407 94.597,88.432 95.776,89.611 95.776,94.102 ; v1(94.597,89.88) 93.876,90.601 93.876,91.277 ; v1@94.597,105.907 94.597,105.932 95.776,107.111 95.776,111.602 ; v1(94.597,107.38) 93.876,108.101 93.876,108.777 ; v1@94.597,123.407 94.597,123.432 95.776,124.611 95.776,129.102 ; v1(94.597,124.88) 93.876,125.601 93.876,126.277 ; v1@94.597,140.907 94.597,140.932 95.776,142.111 95.776,146.602 ; v1(94.597,142.38) 93.876,143.101 93.876,143.777 ; 98.876,73.635 98.876,73.777 ; 98.876,76.602 98.876,73.777 ; 98.876,91.135 98.876,91.277 ; 98.876,94.102 98.876,91.277 ; 98.876,108.635 98.876,108.777 ; 98.876,111.602 98.876,108.777 ; 98.876,126.135 98.876,126.277 ; 98.876,129.102 98.876,126.277 ; 98.876,143.635 98.876,143.777 ; 98.876,146.602 98.876,143.777 ; v1@99.597,70.907 99.597,70.932 100.776,72.111 100.776,76.602 ; v1(99.597,72.38) 98.876,73.101 98.876,73.777 ; v1@99.597,88.407 99.597,88.432 100.776,89.611 100.776,94.102 ; v1(99.597,89.88) 98.876,90.601 98.876,91.277 ; v1@99.597,105.907 99.597,105.932 100.776,107.111 100.776,111.602 ; v1(99.597,107.38) 98.876,108.101 98.876,108.777 ; v1@99.597,123.407 99.597,123.432 100.776,124.611 100.776,129.102 ; v1(99.597,124.88) 98.876,125.601 98.876,126.277 ; v1@99.597,140.907 99.597,140.932 100.776,142.111 100.776,146.602 ; v1(99.597,142.38) 98.876,143.101 98.876,143.777 ; 103.876,73.635 103.876,73.777 ; 103.876,76.602 103.876,73.777 ; 103.876,91.135 103.876,91.277 ; 103.876,94.102 103.876,91.277 ; 103.876,108.635 103.876,108.777 ; 103.876,111.602 103.876,108.777 ; 103.876,126.135 103.876,126.277 ; 103.876,129.102 103.876,126.277 ; 103.876,143.635 103.876,143.777 ; 103.876,146.602 103.876,143.777 ; v1@104.597,70.907 104.597,70.932 105.776,72.111 105.776,76.602 ; v1(104.597,72.38) 103.876,73.101 103.876,73.777 ; v1@104.597,88.407 104.597,88.432 105.776,89.611 105.776,94.102 ; v1(104.597,89.88) 103.876,90.601 103.876,91.277 ; v1@104.597,105.907 104.597,105.932 105.776,107.111 105.776,111.602 ; v1(104.597,107.38) 103.876,108.101 103.876,108.777 ; v1@104.597,123.407 104.597,123.432 105.776,124.611 105.776,129.102 ; v1(104.597,124.88) 103.876,125.601 103.876,126.277 ; v1@104.597,140.907 104.597,140.932 105.776,142.111 105.776,146.602 ; v1(104.597,142.38) 103.876,143.101 103.876,143.777 ; 108.876,73.635 108.876,73.777 ; 108.876,76.602 108.876,73.777 ; 108.876,91.135 108.876,91.277 ; 108.876,94.102 108.876,91.277 ; 108.876,108.635 108.876,108.777 ; 108.876,111.602 108.876,108.777 ; 108.876,126.135 108.876,126.277 ; 108.876,129.102 108.876,126.277 ; 108.876,143.635 108.876,143.777 ; 108.876,146.602 108.876,143.777 ; v1@109.597,70.907 109.597,70.932 110.776,72.111 110.776,76.602 ; v1(109.597,72.38) 108.876,73.101 108.876,73.777 ; v1@109.597,88.407 109.597,88.432 110.776,89.611 110.776,94.102 ; v1(109.597,89.88) 108.876,90.601 108.876,91.277 ; v1@109.597,105.907 109.597,105.932 110.776,107.111 110.776,111.602 ; v1(109.597,107.38) 108.876,108.101 108.876,108.777 ; v1@109.597,123.407 109.597,123.432 110.776,124.611 110.776,129.102 ; v1(109.597,124.88) 108.876,125.601 108.876,126.277 ; v1@109.597,140.907 109.597,140.932 110.776,142.111 110.776,146.602 ; v1(109.597,142.38) 108.876,143.101 108.876,143.777 ; 113.876,73.635 113.876,73.777 ; 113.876,76.602 113.876,73.777 ; 113.876,91.135 113.876,91.277 ; 113.876,94.102 113.876,91.277 ; 113.876,108.635 113.876,108.777 ; 113.876,111.602 113.876,108.777 ; 113.876,126.135 113.876,126.277 ; 113.876,129.102 113.876,126.277 ; 113.876,143.635 113.876,143.777 ; 113.876,146.602 113.876,143.777 ; v1@114.597,70.907 114.597,70.932 115.776,72.111 115.776,76.602 ; v1(114.597,72.38) 113.876,73.101 113.876,73.777 ; v1@114.597,88.407 114.597,88.432 115.776,89.611 115.776,94.102 ; v1(114.597,89.88) 113.876,90.601 113.876,91.277 ; v1@114.597,105.907 114.597,105.932 115.776,107.111 115.776,111.602 ; v1(114.597,107.38) 113.876,108.101 113.876,108.777 ; v1@114.597,123.407 114.597,123.432 115.776,124.611 115.776,129.102 ; v1(114.597,124.88) 113.876,125.601 113.876,126.277 ; v1@114.597,140.907 114.597,140.932 115.776,142.111 115.776,146.602 ; v1(114.597,142.38) 113.876,143.101 113.876,143.777 ; 118.876,73.635 118.876,73.777 ; 118.876,76.602 118.876,73.777 ; 118.876,91.135 118.876,91.277 ; 118.876,94.102 118.876,91.277 ; 118.876,108.635 118.876,108.777 ; 118.876,111.602 118.876,108.777 ; 118.876,126.135 118.876,126.277 ; 118.876,129.102 118.876,126.277 ; 118.876,143.635 118.876,143.777 ; 118.876,146.602 118.876,143.777 ; v1@119.597,70.907 119.597,70.932 120.776,72.111 120.776,76.602 ; v1(119.597,72.38) 118.876,73.101 118.876,73.777 ; v1@119.597,88.407 119.597,88.432 120.776,89.611 120.776,94.102 ; v1(119.597,89.88) 118.876,90.601 118.876,91.277 ; v1@119.597,105.907 119.597,105.932 120.776,107.111 120.776,111.602 ; v1(119.597,107.38) 118.876,108.101 118.876,108.777 ; v1@119.597,123.407 119.597,123.432 120.776,124.611 120.776,129.102 ; v1(119.597,124.88) 118.876,125.601 118.876,126.277 ; v1@119.597,140.907 119.597,140.932 120.776,142.111 120.776,146.602 ; v1(119.597,142.38) 118.876,143.101 118.876,143.777 ; 123.876,73.635 123.876,73.777 ; 123.876,76.602 123.876,73.777 ; 123.876,91.135 123.876,91.277 ; 123.876,94.102 123.876,91.277 ; 123.876,108.635 123.876,108.777 ; 123.876,111.602 123.876,108.777 ; 123.876,126.135 123.876,126.277 ; 123.876,129.102 123.876,126.277 ; 123.876,143.635 123.876,143.777 ; 123.876,146.602 123.876,143.777 ; v1@124.597,70.907 124.597,70.932 125.776,72.111 125.776,76.602 ; v1(124.597,72.38) 123.876,73.101 123.876,73.777 ; v1@124.597,88.407 124.597,88.432 125.776,89.611 125.776,94.102 ; v1(124.597,89.88) 123.876,90.601 123.876,91.277 ; v1@124.597,105.907 124.597,105.932 125.776,107.111 125.776,111.602 ; v1(124.597,107.38) 123.876,108.101 123.876,108.777 ; v1@124.597,123.407 124.597,123.432 125.776,124.611 125.776,129.102 ; v1(124.597,124.88) 123.876,125.601 123.876,126.277 ; v1@124.597,140.907 124.597,140.932 125.776,142.111 125.776,146.602 ; v1(124.597,142.38) 123.876,143.101 123.876,143.777 ; 128.876,73.635 128.876,73.777 ; 128.876,76.602 128.876,73.777 ; 128.876,91.135 128.876,91.277 ; 128.876,94.102 128.876,91.277 ; 128.876,108.635 128.876,108.777 ; 128.876,111.602 128.876,108.777 ; 128.876,126.135 128.876,126.277 ; 128.876,129.102 128.876,126.277 ; 128.876,143.635 128.876,143.777 ; 128.876,146.602 128.876,143.777 ; v1@129.597,70.907 129.597,70.932 130.776,72.111 130.776,76.602 ; v1(129.597,72.38) 128.876,73.101 128.876,73.777 ; v1@129.597,88.407 129.597,88.432 130.776,89.611 130.776,94.102 ; v1(129.597,89.88) 128.876,90.601 128.876,91.277 ; v1@129.597,105.907 129.597,105.932 130.776,107.111 130.776,111.602 ; v1(129.597,107.38) 128.876,108.101 128.876,108.777 ; v1@129.597,123.407 129.597,123.432 130.776,124.611 130.776,129.102 ; v1(129.597,124.88) 128.876,125.601 128.876,126.277 ; v1@129.597,140.907 129.597,140.932 130.776,142.111 130.776,146.602 ; v1(129.597,142.38) 128.876,143.101 128.876,143.777